# KiCad board mechanical-keyboard.kicad_pcb
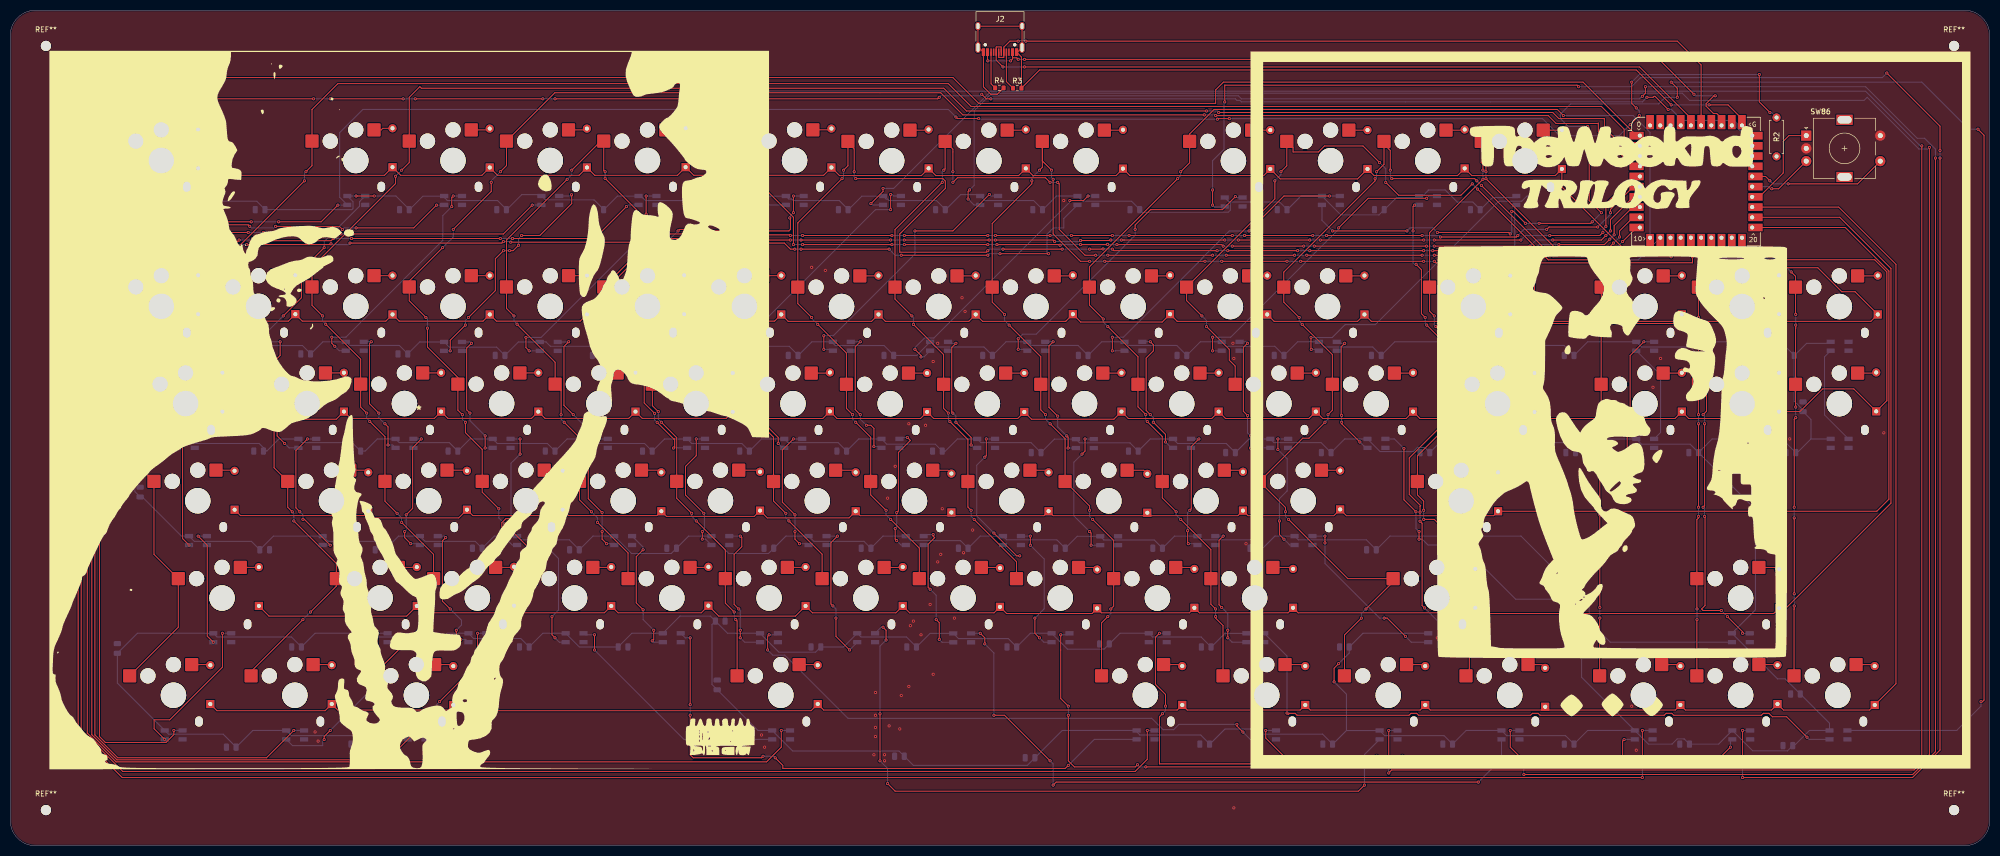
[diagram p0: board, top side]
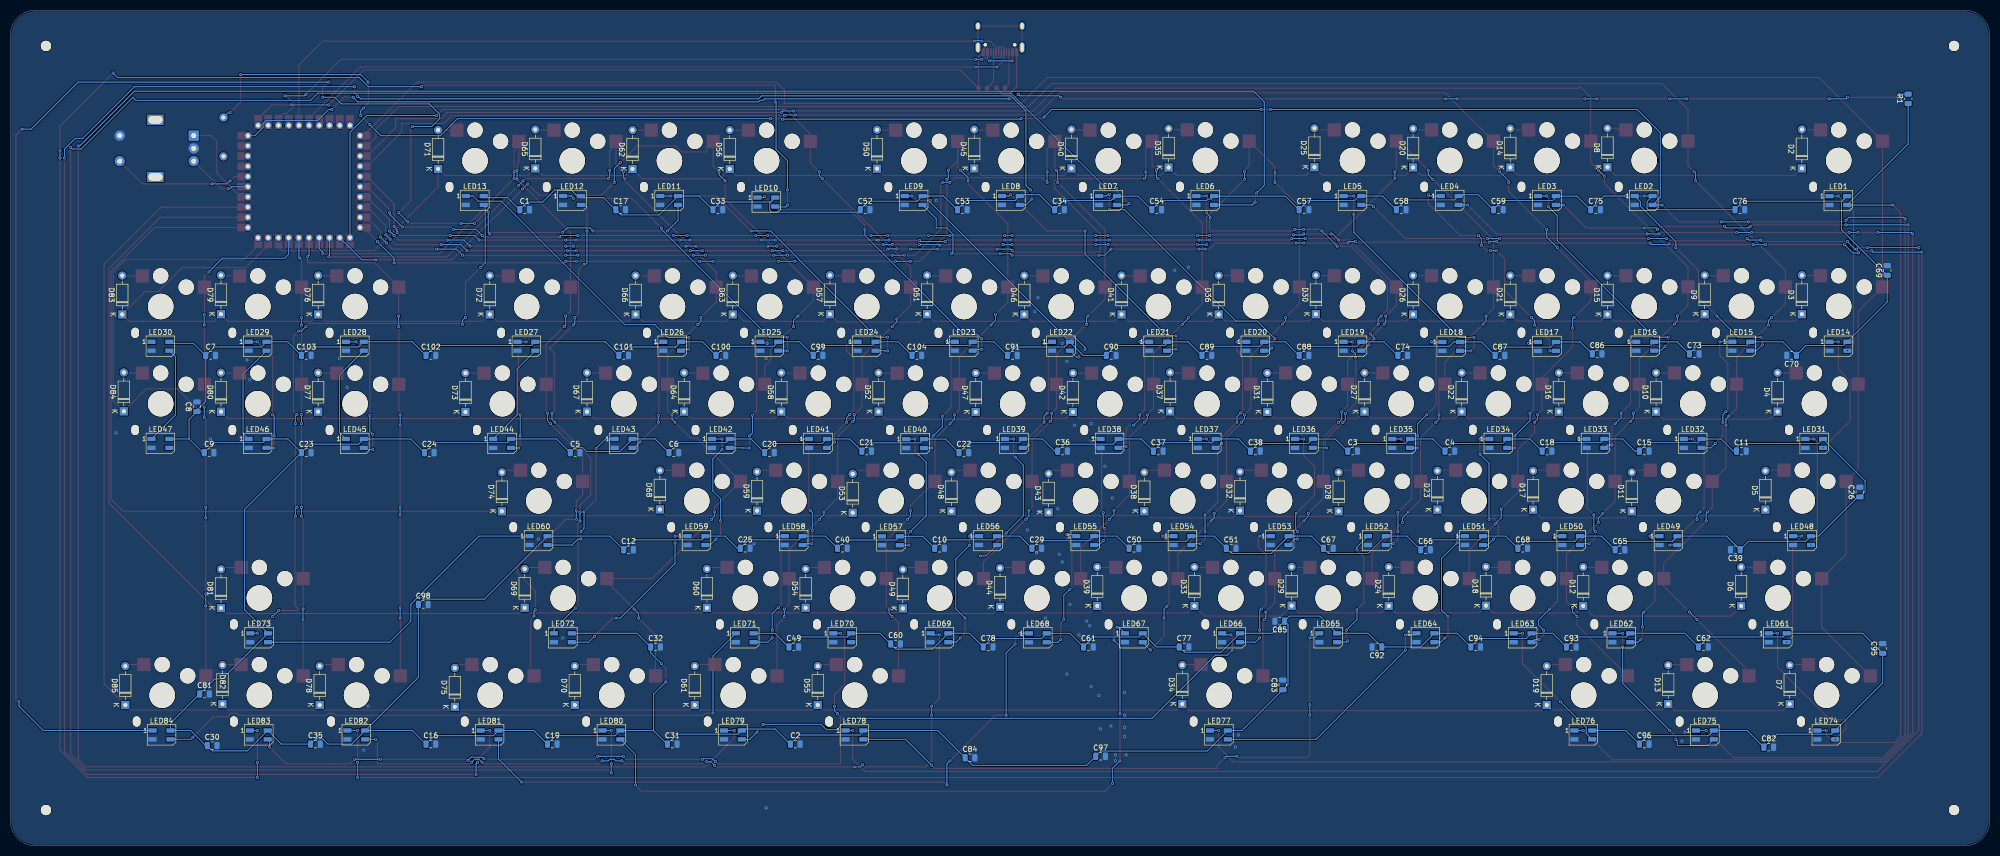
[diagram p1: board, bottom side, seen from below]

Outline 387.8 x 163.73 mm; copper layers: Top, Bottom. Coordinates in mm from the lower left corner of the outline.
Outline path: 0,158.73 arc(1.46,162.26) 5,163.73 382.8,163.73 arc(386.34,162.26) 387.8,158.73 387.8,5 arc(386.34,1.46) 382.8,0 5,0 arc(1.46,1.46) 0,5 0,158.73

## Placement (name value [footprint] x y rotation side)
C1  C  [C_0805_2012Metric]  287.01 124.64 180 bottom
C2  C  [C_0805_2012Metric]  234 19.92 180 bottom
C3  C  [C_0805_2012Metric]  124.82 77.34 180 bottom
C4  C  [C_0805_2012Metric]  105.78 77.34 180 bottom
C5  C  [C_0805_2012Metric]  277.14 77.04 180 bottom
C6  C  [C_0805_2012Metric]  257.8 77.04 180 bottom
C7  C  [C_0805_2012Metric]  348.54 96.08 180 bottom
C8  C  [C_0805_2012Metric]  351.21 86.03 90 bottom
C9  C  [C_0805_2012Metric]  348.83 77.04 180 bottom
C10  C  [C_0805_2012Metric]  205.74 58.3 180 bottom
C11  C  [C_0805_2012Metric]  48.66 77.34 180 bottom
C12  C  [C_0805_2012Metric]  266.67 58 180 bottom
C15  C  [C_0805_2012Metric]  67.7 77.34 180 bottom
C16  C  [C_0805_2012Metric]  305.4 19.92 180 bottom
C17  C  [C_0805_2012Metric]  268.21 124.64 180 bottom
C18  C  [C_0805_2012Metric]  86.74 77.34 180 bottom
C19  C  [C_0805_2012Metric]  281.6 19.92 180 bottom
C20  C  [C_0805_2012Metric]  239.06 77.04 180 bottom
C21  C  [C_0805_2012Metric]  220.02 77.34 180 bottom
C22  C  [C_0805_2012Metric]  200.98 77.04 180 bottom
C23  C  [C_0805_2012Metric]  329.79 77.04 180 bottom
C24  C  [C_0805_2012Metric]  305.7 77.04 180 bottom
C25  C  [C_0805_2012Metric]  243.82 58.3 180 bottom
C26  C  [C_0805_2012Metric]  25.45 69.31 90 bottom
C29  C  [C_0805_2012Metric]  186.7 58.3 180 bottom
C30  C  [C_0805_2012Metric]  348.24 19.62 180 bottom
C31  C  [C_0805_2012Metric]  258.1 19.92 180 bottom
C32  C  [C_0805_2012Metric]  261.37 38.96 180 bottom
C33  C  [C_0805_2012Metric]  249.17 124.64 180 bottom
C34  C  [C_0805_2012Metric]  182.24 124.64 180 bottom
C35  C  [C_0805_2012Metric]  328.01 19.92 180 bottom
C36  C  [C_0805_2012Metric]  181.64 77.34 180 bottom
C37  C  [C_0805_2012Metric]  162.9 77.34 180 bottom
C38  C  [C_0805_2012Metric]  143.86 77.34 180 bottom
C39  C  [C_0805_2012Metric]  49.85 58 0 bottom
C40  C  [C_0805_2012Metric]  224.78 58.3 180 bottom
C49  C  [C_0805_2012Metric]  234.3 38.96 180 bottom
C50  C  [C_0805_2012Metric]  167.66 58.3 180 bottom
C51  C  [C_0805_2012Metric]  148.62 58.3 180 bottom
C52  C  [C_0805_2012Metric]  220.31 124.64 180 bottom
C53  C  [C_0805_2012Metric]  201.28 124.64 180 bottom
C54  C  [C_0805_2012Metric]  163.19 124.64 180 bottom
C57  C  [C_0805_2012Metric]  134.34 124.64 180 bottom
C58  C  [C_0805_2012Metric]  115.3 124.64 180 bottom
C59  C  [C_0805_2012Metric]  96.26 124.64 180 bottom
C60  C  [C_0805_2012Metric]  214.37 39.56 180 bottom
C61  C  [C_0805_2012Metric]  176.58 38.96 180 bottom
C62  C  [C_0805_2012Metric]  56.09 38.96 180 bottom
C65  C  [C_0805_2012Metric]  72.46 58 180 bottom
C66  C  [C_0805_2012Metric]  110.54 58 180 bottom
C67  C  [C_0805_2012Metric]  129.58 58.3 180 bottom
C68  C  [C_0805_2012Metric]  91.5 58.3 180 bottom
C69  C  [C_0805_2012Metric]  20.1 112.74 90 bottom
C70  C  [C_0805_2012Metric]  38.84 96.08 0 bottom
C73  C  [C_0805_2012Metric]  57.88 96.38 180 bottom
C74  C  [C_0805_2012Metric]  115 96.08 180 bottom
C75  C  [C_0805_2012Metric]  77.22 124.64 180 bottom
C76  C  [C_0805_2012Metric]  48.96 124.64 180 bottom
C77  C  [C_0805_2012Metric]  157.84 38.96 180 bottom
C78  C  [C_0805_2012Metric]  196.22 38.96 180 bottom
C81  C  [C_0805_2012Metric]  349.73 29.74 180 bottom
C82  C  [C_0805_2012Metric]  43.3 19.33 180 bottom
C83  C  [C_0805_2012Metric]  138.5 31.53 90 bottom
C84  C  [C_0805_2012Metric]  199.79 17.25 180 bottom
C85  C  [C_0805_2012Metric]  139.1 44.02 0 bottom
C86  C  [C_0805_2012Metric]  76.92 96.38 180 bottom
C87  C  [C_0805_2012Metric]  95.96 96.08 180 bottom
C88  C  [C_0805_2012Metric]  134.34 96.08 180 bottom
C89  C  [C_0805_2012Metric]  153.38 96.08 180 bottom
C90  C  [C_0805_2012Metric]  172.12 96.08 180 bottom
C91  C  [C_0805_2012Metric]  191.46 96.08 180 bottom
C92  C  [C_0805_2012Metric]  120.06 38.96 0 bottom
C93  C  [C_0805_2012Metric]  81.98 38.96 180 bottom
C94  C  [C_0805_2012Metric]  100.72 38.96 180 bottom
C95  C  [C_0805_2012Metric]  20.99 38.67 90 bottom
C96  C  [C_0805_2012Metric]  67.7 19.92 180 bottom
C97  C  [C_0805_2012Metric]  174.2 17.54 180 bottom
C98  C  [C_0805_2012Metric]  306.89 47.29 180 bottom
C99  C  [C_0805_2012Metric]  229.54 96.08 180 bottom
C100  C  [C_0805_2012Metric]  248.58 96.08 180 bottom
C101  C  [C_0805_2012Metric]  267.62 96.08 180 bottom
C102  C  [C_0805_2012Metric]  305.4 96.08 180 bottom
C103  C  [C_0805_2012Metric]  329.79 96.08 180 bottom
C104  C  [C_0805_2012Metric]  210.2 96.08 180 bottom
D2  D  [D_DO-35_SOD27_P7.62mm_Horizontal]  36.81 132.73 90 bottom
D3  D  [D_DO-35_SOD27_P7.62mm_Horizontal]  36.81 104.17 90 bottom
D4  D  [D_DO-35_SOD27_P7.62mm_Horizontal]  41.57 85.08 90 bottom
D5  D  [D_DO-35_SOD27_P7.62mm_Horizontal]  43.96 65.85 90 bottom
D6  D  [D_DO-35_SOD27_P7.62mm_Horizontal]  48.71 47 90 bottom
D7  D  [D_DO-35_SOD27_P7.62mm_Horizontal]  39.2 27.77 90 bottom
D8  D  [D_DO-35_SOD27_P7.62mm_Horizontal]  74.9 132.97 90 bottom
D9  D  [D_DO-35_SOD27_P7.62mm_Horizontal]  55.85 104.17 90 bottom
D10  D  [D_DO-35_SOD27_P7.62mm_Horizontal]  65.38 85.08 90 bottom
D11  D  [D_DO-35_SOD27_P7.62mm_Horizontal]  70.13 65.56 90 bottom
D12  D  [D_DO-35_SOD27_P7.62mm_Horizontal]  79.66 47 90 bottom
D13  D  [D_DO-35_SOD27_P7.62mm_Horizontal]  62.99 27.77 90 bottom
D14  D  [D_DO-35_SOD27_P7.62mm_Horizontal]  93.94 132.91 90 bottom
D15  D  [D_DO-35_SOD27_P7.62mm_Horizontal]  74.9 104.12 90 bottom
D16  D  [D_DO-35_SOD27_P7.62mm_Horizontal]  84.41 85.08 90 bottom
D17  D  [D_DO-35_SOD27_P7.62mm_Horizontal]  89.47 65.85 90 bottom
D18  D  [D_DO-35_SOD27_P7.62mm_Horizontal]  98.69 47.05 90 bottom
D19  D  [D_DO-35_SOD27_P7.62mm_Horizontal]  86.79 27.59 90 bottom
D20  D  [D_DO-35_SOD27_P7.62mm_Horizontal]  112.97 132.91 90 bottom
D21  D  [D_DO-35_SOD27_P7.62mm_Horizontal]  93.94 104.12 90 bottom
D22  D  [D_DO-35_SOD27_P7.62mm_Horizontal]  103.46 85.08 90 bottom
D23  D  [D_DO-35_SOD27_P7.62mm_Horizontal]  108.22 65.85 90 bottom
D24  D  [D_DO-35_SOD27_P7.62mm_Horizontal]  117.74 47 90 bottom
D25  D  [D_DO-35_SOD27_P7.62mm_Horizontal]  132.31 132.97 90 bottom
D26  D  [D_DO-35_SOD27_P7.62mm_Horizontal]  112.97 104.12 90 bottom
D27  D  [D_DO-35_SOD27_P7.62mm_Horizontal]  122.5 85.08 90 bottom
D28  D  [D_DO-35_SOD27_P7.62mm_Horizontal]  127.55 65.56 90 bottom
D29  D  [D_DO-35_SOD27_P7.62mm_Horizontal]  136.78 47.05 90 bottom
D30  D  [D_DO-35_SOD27_P7.62mm_Horizontal]  132.02 104.17 90 bottom
D31  D  [D_DO-35_SOD27_P7.62mm_Horizontal]  141.53 85.02 90 bottom
D32  D  [D_DO-35_SOD27_P7.62mm_Horizontal]  146.89 65.67 90 bottom
D33  D  [D_DO-35_SOD27_P7.62mm_Horizontal]  155.81 47 90 bottom
D34  D  [D_DO-35_SOD27_P7.62mm_Horizontal]  158.19 27.77 90 bottom
D35  D  [D_DO-35_SOD27_P7.62mm_Horizontal]  160.87 132.91 90 bottom
D36  D  [D_DO-35_SOD27_P7.62mm_Horizontal]  151.06 104.12 90 bottom
D37  D  [D_DO-35_SOD27_P7.62mm_Horizontal]  160.58 85.13 90 bottom
D38  D  [D_DO-35_SOD27_P7.62mm_Horizontal]  165.63 65.56 90 bottom
D39  D  [D_DO-35_SOD27_P7.62mm_Horizontal]  174.86 47 90 bottom
D40  D  [D_DO-35_SOD27_P7.62mm_Horizontal]  179.91 132.73 90 bottom
D41  D  [D_DO-35_SOD27_P7.62mm_Horizontal]  170.09 104.12 90 bottom
D42  D  [D_DO-35_SOD27_P7.62mm_Horizontal]  179.62 85.01 90 bottom
D43  D  [D_DO-35_SOD27_P7.62mm_Horizontal]  184.38 65.31 90 bottom
D44  D  [D_DO-35_SOD27_P7.62mm_Horizontal]  193.9 46.81 90 bottom
D45  D  [D_DO-35_SOD27_P7.62mm_Horizontal]  198.95 132.73 90 bottom
D46  D  [D_DO-35_SOD27_P7.62mm_Horizontal]  189.14 104.12 90 bottom
D47  D  [D_DO-35_SOD27_P7.62mm_Horizontal]  198.66 85.01 90 bottom
D48  D  [D_DO-35_SOD27_P7.62mm_Horizontal]  203.41 65.56 90 bottom
D49  D  [D_DO-35_SOD27_P7.62mm_Horizontal]  212.94 46.52 90 bottom
D50  D  [D_DO-35_SOD27_P7.62mm_Horizontal]  217.99 132.68 90 bottom
D51  D  [D_DO-35_SOD27_P7.62mm_Horizontal]  208.18 104.17 90 bottom
D52  D  [D_DO-35_SOD27_P7.62mm_Horizontal]  217.69 85.08 90 bottom
D53  D  [D_DO-35_SOD27_P7.62mm_Horizontal]  222.75 65.26 90 bottom
D54  D  [D_DO-35_SOD27_P7.62mm_Horizontal]  231.97 46.63 90 bottom
D55  D  [D_DO-35_SOD27_P7.62mm_Horizontal]  229.59 27.59 90 bottom
D56  D  [D_DO-35_SOD27_P7.62mm_Horizontal]  246.85 132.62 90 bottom
D57  D  [D_DO-35_SOD27_P7.62mm_Horizontal]  227.22 104.17 90 bottom
D58  D  [D_DO-35_SOD27_P7.62mm_Horizontal]  236.73 85.08 90 bottom
D59  D  [D_DO-35_SOD27_P7.62mm_Horizontal]  241.5 65.67 90 bottom
D60  D  [D_DO-35_SOD27_P7.62mm_Horizontal]  251.31 46.63 90 bottom
D61  D  [D_DO-35_SOD27_P7.62mm_Horizontal]  253.69 27.59 90 bottom
D62  D  [D_DO-35_SOD27_P7.62mm_Horizontal]  265.89 132.62 90 bottom
D63  D  [D_DO-35_SOD27_P7.62mm_Horizontal]  246.26 104.12 90 bottom
D64  D  [D_DO-35_SOD27_P7.62mm_Horizontal]  255.78 85.08 90 bottom
D65  D  [D_DO-35_SOD27_P7.62mm_Horizontal]  284.93 132.73 90 bottom
D66  D  [D_DO-35_SOD27_P7.62mm_Horizontal]  265.29 104.12 90 bottom
D67  D  [D_DO-35_SOD27_P7.62mm_Horizontal]  274.81 85.08 90 bottom
D68  D  [D_DO-35_SOD27_P7.62mm_Horizontal]  260.53 65.91 90 bottom
D69  D  [D_DO-35_SOD27_P7.62mm_Horizontal]  287.01 46.63 90 bottom
D70  D  [D_DO-35_SOD27_P7.62mm_Horizontal]  277.19 27.59 90 bottom
D71  D  [D_DO-35_SOD27_P7.62mm_Horizontal]  303.97 132.62 90 bottom
D72  D  [D_DO-35_SOD27_P7.62mm_Horizontal]  293.85 104.12 90 bottom
D73  D  [D_DO-35_SOD27_P7.62mm_Horizontal]  298.61 85.02 90 bottom
D74  D  [D_DO-35_SOD27_P7.62mm_Horizontal]  291.47 65.56 90 bottom
D75  D  [D_DO-35_SOD27_P7.62mm_Horizontal]  300.7 27.24 90 bottom
D76  D  [D_DO-35_SOD27_P7.62mm_Horizontal]  327.47 104.12 90 bottom
D77  D  [D_DO-35_SOD27_P7.62mm_Horizontal]  327.47 85.07 90 bottom
D78  D  [D_DO-35_SOD27_P7.62mm_Horizontal]  327.17 27.59 90 bottom
D79  D  [D_DO-35_SOD27_P7.62mm_Horizontal]  346.51 104.17 90 bottom
D80  D  [D_DO-35_SOD27_P7.62mm_Horizontal]  346.51 85.07 90 bottom
D81  D  [D_DO-35_SOD27_P7.62mm_Horizontal]  346.51 46.57 90 bottom
D82  D  [D_DO-35_SOD27_P7.62mm_Horizontal]  346.21 27.77 90 bottom
D83  D  [D_DO-35_SOD27_P7.62mm_Horizontal]  365.85 104.12 90 bottom
D84  D  [D_DO-35_SOD27_P7.62mm_Horizontal]  365.55 85.13 90 bottom
D85  D  [D_DO-35_SOD27_P7.62mm_Horizontal]  365.25 27.59 90 bottom
G***  -  [LOGO]  78.17 85.37 0 top
G***#2  -  [LOGO]  313.49 85.37 0 top
J2  USB_C_Receptacle_USB2.0_16P  [USB_C_Receptacle_HRO_TYPE-C-31-M-12]  193.9 159.55 180 top
LED1  SK6812MINI  [LED_SK6812MINI_PLCC4_3.5x3.5mm_P1.75mm]  29.67 126.43 180 bottom
LED2  SK6812MINI  [LED_SK6812MINI_PLCC4_3.5x3.5mm_P1.75mm]  67.79 126.45 180 bottom
LED3  SK6812MINI  [LED_SK6812MINI_PLCC4_3.5x3.5mm_P1.75mm]  86.76 126.45 180 bottom
LED4  SK6812MINI  [LED_SK6812MINI_PLCC4_3.5x3.5mm_P1.75mm]  105.8 126.45 180 bottom
LED5  SK6812MINI  [LED_SK6812MINI_PLCC4_3.5x3.5mm_P1.75mm]  124.84 126.45 180 bottom
LED6  SK6812MINI  [LED_SK6812MINI_PLCC4_3.5x3.5mm_P1.75mm]  153.7 126.45 180 bottom
LED7  SK6812MINI  [LED_SK6812MINI_PLCC4_3.5x3.5mm_P1.75mm]  172.74 126.45 180 bottom
LED8  SK6812MINI  [LED_SK6812MINI_PLCC4_3.5x3.5mm_P1.75mm]  191.78 126.45 180 bottom
LED9  SK6812MINI  [LED_SK6812MINI_PLCC4_3.5x3.5mm_P1.75mm]  210.82 126.45 180 bottom
LED10  SK6812MINI  [LED_SK6812MINI_PLCC4_3.5x3.5mm_P1.75mm]  239.67 126.15 180 bottom
LED11  SK6812MINI  [LED_SK6812MINI_PLCC4_3.5x3.5mm_P1.75mm]  258.71 126.45 180 bottom
LED12  SK6812MINI  [LED_SK6812MINI_PLCC4_3.5x3.5mm_P1.75mm]  277.75 126.45 180 bottom
LED13  SK6812MINI  [LED_SK6812MINI_PLCC4_3.5x3.5mm_P1.75mm]  296.79 126.45 180 bottom
LED14  SK6812MINI  [LED_SK6812MINI_PLCC4_3.5x3.5mm_P1.75mm]  29.64 97.89 180 bottom
LED15  SK6812MINI  [LED_SK6812MINI_PLCC4_3.5x3.5mm_P1.75mm]  48.68 97.89 180 bottom
LED16  SK6812MINI  [LED_SK6812MINI_PLCC4_3.5x3.5mm_P1.75mm]  67.49 97.89 180 bottom
LED17  SK6812MINI  [LED_SK6812MINI_PLCC4_3.5x3.5mm_P1.75mm]  86.76 97.85 180 bottom
LED18  SK6812MINI  [LED_SK6812MINI_PLCC4_3.5x3.5mm_P1.75mm]  105.5 97.85 180 bottom
LED19  SK6812MINI  [LED_SK6812MINI_PLCC4_3.5x3.5mm_P1.75mm]  124.84 97.89 180 bottom
LED20  SK6812MINI  [LED_SK6812MINI_PLCC4_3.5x3.5mm_P1.75mm]  143.88 97.89 180 bottom
LED21  SK6812MINI  [LED_SK6812MINI_PLCC4_3.5x3.5mm_P1.75mm]  162.92 97.89 180 bottom
LED22  SK6812MINI  [LED_SK6812MINI_PLCC4_3.5x3.5mm_P1.75mm]  181.96 97.89 180 bottom
LED23  SK6812MINI  [LED_SK6812MINI_PLCC4_3.5x3.5mm_P1.75mm]  201 97.89 180 bottom
LED24  SK6812MINI  [LED_SK6812MINI_PLCC4_3.5x3.5mm_P1.75mm]  220.04 97.89 180 bottom
LED25  SK6812MINI  [LED_SK6812MINI_PLCC4_3.5x3.5mm_P1.75mm]  239.08 97.89 180 bottom
LED26  SK6812MINI  [LED_SK6812MINI_PLCC4_3.5x3.5mm_P1.75mm]  258.12 97.89 180 bottom
LED27  SK6812MINI  [LED_SK6812MINI_PLCC4_3.5x3.5mm_P1.75mm]  286.68 97.89 180 bottom
LED28  SK6812MINI  [LED_SK6812MINI_PLCC4_3.5x3.5mm_P1.75mm]  320.3 97.89 180 bottom
LED29  SK6812MINI  [LED_SK6812MINI_PLCC4_3.5x3.5mm_P1.75mm]  339.34 97.89 180 bottom
LED30  SK6812MINI  [LED_SK6812MINI_PLCC4_3.5x3.5mm_P1.75mm]  358.38 97.89 180 bottom
LED31  SK6812MINI  [LED_SK6812MINI_PLCC4_3.5x3.5mm_P1.75mm]  34.4 78.84 180 bottom
LED32  SK6812MINI  [LED_SK6812MINI_PLCC4_3.5x3.5mm_P1.75mm]  58.2 78.84 180 bottom
LED33  SK6812MINI  [LED_SK6812MINI_PLCC4_3.5x3.5mm_P1.75mm]  77.24 78.84 180 bottom
LED34  SK6812MINI  [LED_SK6812MINI_PLCC4_3.5x3.5mm_P1.75mm]  96.28 78.84 180 bottom
LED35  SK6812MINI  [LED_SK6812MINI_PLCC4_3.5x3.5mm_P1.75mm]  115.32 78.84 180 bottom
LED36  SK6812MINI  [LED_SK6812MINI_PLCC4_3.5x3.5mm_P1.75mm]  134.36 78.84 180 bottom
LED37  SK6812MINI  [LED_SK6812MINI_PLCC4_3.5x3.5mm_P1.75mm]  153.4 78.84 180 bottom
LED38  SK6812MINI  [LED_SK6812MINI_PLCC4_3.5x3.5mm_P1.75mm]  172.44 78.84 180 bottom
LED39  SK6812MINI  [LED_SK6812MINI_PLCC4_3.5x3.5mm_P1.75mm]  191.18 78.84 180 bottom
LED40  SK6812MINI  [LED_SK6812MINI_PLCC4_3.5x3.5mm_P1.75mm]  210.52 78.81 180 bottom
LED41  SK6812MINI  [LED_SK6812MINI_PLCC4_3.5x3.5mm_P1.75mm]  229.56 78.84 180 bottom
LED42  SK6812MINI  [LED_SK6812MINI_PLCC4_3.5x3.5mm_P1.75mm]  248.6 78.84 180 bottom
LED43  SK6812MINI  [LED_SK6812MINI_PLCC4_3.5x3.5mm_P1.75mm]  267.64 78.84 180 bottom
LED44  SK6812MINI  [LED_SK6812MINI_PLCC4_3.5x3.5mm_P1.75mm]  291.44 78.84 180 bottom
LED45  SK6812MINI  [LED_SK6812MINI_PLCC4_3.5x3.5mm_P1.75mm]  320.3 78.84 180 bottom
LED46  SK6812MINI  [LED_SK6812MINI_PLCC4_3.5x3.5mm_P1.75mm]  339.34 78.84 180 bottom
LED47  SK6812MINI  [LED_SK6812MINI_PLCC4_3.5x3.5mm_P1.75mm]  358.38 78.84 180 bottom
LED48  SK6812MINI  [LED_SK6812MINI_PLCC4_3.5x3.5mm_P1.75mm]  36.78 59.81 180 bottom
LED49  SK6812MINI  [LED_SK6812MINI_PLCC4_3.5x3.5mm_P1.75mm]  62.96 59.81 180 bottom
LED50  SK6812MINI  [LED_SK6812MINI_PLCC4_3.5x3.5mm_P1.75mm]  82 59.81 180 bottom
LED51  SK6812MINI  [LED_SK6812MINI_PLCC4_3.5x3.5mm_P1.75mm]  101.04 59.81 180 bottom
LED52  SK6812MINI  [LED_SK6812MINI_PLCC4_3.5x3.5mm_P1.75mm]  120.08 59.81 180 bottom
LED53  SK6812MINI  [LED_SK6812MINI_PLCC4_3.5x3.5mm_P1.75mm]  139.12 59.81 180 bottom
LED54  SK6812MINI  [LED_SK6812MINI_PLCC4_3.5x3.5mm_P1.75mm]  158.16 59.81 180 bottom
LED55  SK6812MINI  [LED_SK6812MINI_PLCC4_3.5x3.5mm_P1.75mm]  177.2 59.81 180 bottom
LED56  SK6812MINI  [LED_SK6812MINI_PLCC4_3.5x3.5mm_P1.75mm]  196.24 59.81 180 bottom
LED57  SK6812MINI  [LED_SK6812MINI_PLCC4_3.5x3.5mm_P1.75mm]  215.28 59.77 180 bottom
LED58  SK6812MINI  [LED_SK6812MINI_PLCC4_3.5x3.5mm_P1.75mm]  234.32 59.81 180 bottom
LED59  SK6812MINI  [LED_SK6812MINI_PLCC4_3.5x3.5mm_P1.75mm]  253.36 59.81 180 bottom
LED60  SK6812MINI  [LED_SK6812MINI_PLCC4_3.5x3.5mm_P1.75mm]  284.3 59.81 180 bottom
LED61  SK6812MINI  [LED_SK6812MINI_PLCC4_3.5x3.5mm_P1.75mm]  41.54 40.77 180 bottom
LED62  SK6812MINI  [LED_SK6812MINI_PLCC4_3.5x3.5mm_P1.75mm]  72.18 40.77 180 bottom
LED63  SK6812MINI  [LED_SK6812MINI_PLCC4_3.5x3.5mm_P1.75mm]  91.52 40.77 180 bottom
LED64  SK6812MINI  [LED_SK6812MINI_PLCC4_3.5x3.5mm_P1.75mm]  110.56 40.77 180 bottom
LED65  SK6812MINI  [LED_SK6812MINI_PLCC4_3.5x3.5mm_P1.75mm]  129.6 40.77 180 bottom
LED66  SK6812MINI  [LED_SK6812MINI_PLCC4_3.5x3.5mm_P1.75mm]  148.64 40.77 180 bottom
LED67  SK6812MINI  [LED_SK6812MINI_PLCC4_3.5x3.5mm_P1.75mm]  167.68 40.77 180 bottom
LED68  SK6812MINI  [LED_SK6812MINI_PLCC4_3.5x3.5mm_P1.75mm]  186.49 40.75 180 bottom
LED69  SK6812MINI  [LED_SK6812MINI_PLCC4_3.5x3.5mm_P1.75mm]  205.76 40.77 180 bottom
LED70  SK6812MINI  [LED_SK6812MINI_PLCC4_3.5x3.5mm_P1.75mm]  224.8 40.77 180 bottom
LED71  SK6812MINI  [LED_SK6812MINI_PLCC4_3.5x3.5mm_P1.75mm]  243.91 40.77 180 bottom
LED72  SK6812MINI  [LED_SK6812MINI_PLCC4_3.5x3.5mm_P1.75mm]  279.54 40.77 180 bottom
LED73  SK6812MINI  [LED_SK6812MINI_PLCC4_3.5x3.5mm_P1.75mm]  339.04 40.77 180 bottom
LED74  SK6812MINI  [LED_SK6812MINI_PLCC4_3.5x3.5mm_P1.75mm]  32.02 21.73 180 bottom
LED75  SK6812MINI  [LED_SK6812MINI_PLCC4_3.5x3.5mm_P1.75mm]  55.82 21.73 180 bottom
LED76  SK6812MINI  [LED_SK6812MINI_PLCC4_3.5x3.5mm_P1.75mm]  79.62 21.73 180 bottom
LED77  SK6812MINI  [LED_SK6812MINI_PLCC4_3.5x3.5mm_P1.75mm]  151.02 21.73 180 bottom
LED78  SK6812MINI  [LED_SK6812MINI_PLCC4_3.5x3.5mm_P1.75mm]  222.42 21.73 180 bottom
LED79  SK6812MINI  [LED_SK6812MINI_PLCC4_3.5x3.5mm_P1.75mm]  246.22 21.73 180 bottom
LED80  SK6812MINI  [LED_SK6812MINI_PLCC4_3.5x3.5mm_P1.75mm]  270.02 21.73 180 bottom
LED81  SK6812MINI  [LED_SK6812MINI_PLCC4_3.5x3.5mm_P1.75mm]  293.89 21.73 180 bottom
LED82  SK6812MINI  [LED_SK6812MINI_PLCC4_3.5x3.5mm_P1.75mm]  320 21.73 180 bottom
LED83  SK6812MINI  [LED_SK6812MINI_PLCC4_3.5x3.5mm_P1.75mm]  339.11 21.73 180 bottom
LED84  SK6812MINI  [LED_SK6812MINI_PLCC4_3.5x3.5mm_P1.75mm]  358.15 21.73 180 bottom
R1  330 OHMS  [R_0805_2012Metric]  15.99 146.36 90 bottom
R2  R  [R_Axial_DIN0207_L6.3mm_D2.5mm_P7.62mm_Horizontal]  346.02 135.08 90 top
R3  R  [R_0603_1608Metric]  197.28 148.45 0 top
R4  R  [R_0603_1608Metric]  193.78 148.5 0 top
REF**  -  [MountingHole_2mm]  380.8 156.73 0 top
REF**#2  -  [MountingHole_2mm]  380.8 7 0 top
REF**#3  -  [MountingHole_2mm]  7 7 0 top
REF**#4  -  [MountingHole_2mm]  7 156.73 0 top
SW2  SW_Push  [Kailh-PG1353-Hotswap-1U]  29.6 134.28 0 top
SW3  SW_Push  [Kailh-PG1353-Hotswap-1U]  29.6 105.7 0 top
SW4  SW_Push  [Kailh-PG1353-Hotswap-1.5U]  34.36 86.65 0 top
SW5  SW_Push  [Kailh-PG1353-Hotswap-1.75U]  36.74 67.6 0 top
SW6  SW_Push  [Kailh-PG1353-Hotswap-2.25U]  41.5 48.55 0 top
SW7  SW_Push  [Kailh-PG1353-Hotswap-1.25U]  31.98 29.5 0 top
SW8  SW_Push  [Kailh-PG1353-Hotswap-1U]  67.7 134.28 0 top
SW9  SW_Push  [Kailh-PG1353-Hotswap-1U]  48.65 105.7 0 top
SW10  SW_Push  [Kailh-PG1353-Hotswap-1U]  58.17 86.65 0 top
SW11  SW_Push  [Kailh-PG1353-Hotswap-1U]  62.94 67.6 0 top
SW12  SW_Push  [Kailh-PG1353-Hotswap-1U]  72.46 48.55 0 top
SW13  SW_Push  [Kailh-PG1353-Hotswap-1.25U]  55.76 29.5 0 top
SW14  SW_Push  [Kailh-PG1353-Hotswap-1U]  86.75 134.28 0 top
SW15  SW_Push  [Kailh-PG1353-Hotswap-1U]  67.7 105.7 0 top
SW16  SW_Push  [Kailh-PG1353-Hotswap-1U]  77.23 86.65 0 top
SW17  SW_Push  [Kailh-PG1353-Hotswap-1U]  81.99 67.6 0 top
SW18  SW_Push  [Kailh-PG1353-Hotswap-1U]  91.51 48.55 0 top
SW19  SW_Push  [Kailh-PG1353-Hotswap-1.25U]  79.57 29.5 0 top
SW20  SW_Push  [Kailh-PG1353-Hotswap-1U]  105.8 134.28 0 top
SW21  SW_Push  [Kailh-PG1353-Hotswap-1U]  86.75 105.7 0 top
SW22  SW_Push  [Kailh-PG1353-Hotswap-1U]  96.27 86.65 0 top
SW23  SW_Push  [Kailh-PG1353-Hotswap-1U]  101.04 67.6 0 top
SW24  SW_Push  [Kailh-PG1353-Hotswap-1U]  110.56 48.55 0 top
SW25  SW_Push  [Kailh-PG1353-Hotswap-1U]  124.85 134.28 0 top
SW26  SW_Push  [Kailh-PG1353-Hotswap-1U]  105.8 105.7 0 top
SW27  SW_Push  [Kailh-PG1353-Hotswap-1U]  115.33 86.65 0 top
SW28  SW_Push  [Kailh-PG1353-Hotswap-1U]  120.09 67.6 0 top
SW29  SW_Push  [Kailh-PG1353-Hotswap-1U]  129.61 48.55 0 top
SW30  SW_Push  [Kailh-PG1353-Hotswap-1U]  124.85 105.7 0 top
SW31  SW_Push  [Kailh-PG1353-Hotswap-1U]  134.38 86.65 0 top
SW32  SW_Push  [Kailh-PG1353-Hotswap-1U]  139.14 67.6 0 top
SW33  SW_Push  [Kailh-PG1353-Hotswap-1U]  148.66 48.55 0 top
SW34  SW_Push  [Kailh-PG1353-Hotswap-6.25U]  150.97 29.5 0 top
SW35  SW_Push  [Kailh-PG1353-Hotswap-1U]  153.66 134.28 0 top
SW36  SW_Push  [Kailh-PG1353-Hotswap-1U]  143.83 105.7 0 top
SW37  SW_Push  [Kailh-PG1353-Hotswap-1U]  153.35 86.62 0 top
SW38  SW_Push  [Kailh-PG1353-Hotswap-1U]  158.11 67.58 0 top
SW39  SW_Push  [Kailh-PG1353-Hotswap-1U]  167.63 48.54 0 top
SW40  SW_Push  [Kailh-PG1353-Hotswap-1U]  172.69 134.22 0 top
SW41  SW_Push  [Kailh-PG1353-Hotswap-1U]  162.86 105.66 0 top
SW42  SW_Push  [Kailh-PG1353-Hotswap-1U]  172.39 86.62 0 top
SW43  SW_Push  [Kailh-PG1353-Hotswap-1U]  177.14 67.58 0 top
SW44  SW_Push  [Kailh-PG1353-Hotswap-1U]  186.67 48.54 0 top
SW45  SW_Push  [Kailh-PG1353-Hotswap-1U]  191.73 134.22 0 top
SW46  SW_Push  [Kailh-PG1353-Hotswap-1U]  181.9 105.66 0 top
SW47  SW_Push  [Kailh-PG1353-Hotswap-1U]  191.42 86.62 0 top
SW48  SW_Push  [Kailh-PG1353-Hotswap-1U]  196.19 67.58 0 top
SW49  SW_Push  [Kailh-PG1353-Hotswap-1U]  205.71 48.54 0 top
SW50  SW_Push  [Kailh-PG1353-Hotswap-1U]  210.77 134.22 0 top
SW51  SW_Push  [Kailh-PG1353-Hotswap-1U]  200.95 105.66 0 top
SW52  SW_Push  [Kailh-PG1353-Hotswap-1U]  210.46 86.62 0 top
SW53  SW_Push  [Kailh-PG1353-Hotswap-1U]  215.22 67.58 0 top
SW54  SW_Push  [Kailh-PG1353-Hotswap-1U]  224.74 48.54 0 top
SW55  SW_Push  [Kailh-PG1353-Hotswap-1.25U]  222.37 29.5 0 top
SW56  SW_Push  [Kailh-PG1353-Hotswap-1U]  239.62 134.22 0 top
SW57  SW_Push  [Kailh-PG1353-Hotswap-1U]  219.99 105.66 0 top
SW58  SW_Push  [Kailh-PG1353-Hotswap-1U]  229.5 86.62 0 top
SW59  SW_Push  [Kailh-PG1353-Hotswap-1U]  234.26 67.58 0 top
SW60  SW_Push  [Kailh-PG1353-Hotswap-1U]  243.78 48.54 0 top
SW61  SW_Push  [Kailh-PG1353-Hotswap-1.25U]  246.16 29.5 0 top
SW62  SW_Push  [Kailh-PG1353-Hotswap-1U]  258.66 134.22 0 top
SW63  SW_Push  [Kailh-PG1353-Hotswap-1U]  239.03 105.66 0 top
SW64  SW_Push  [Kailh-PG1353-Hotswap-1U]  248.54 86.62 0 top
SW65  SW_Push  [Kailh-PG1353-Hotswap-1U]  277.7 134.22 0 top